# Allegro board SDHCalFEB20180110.brd (continued)
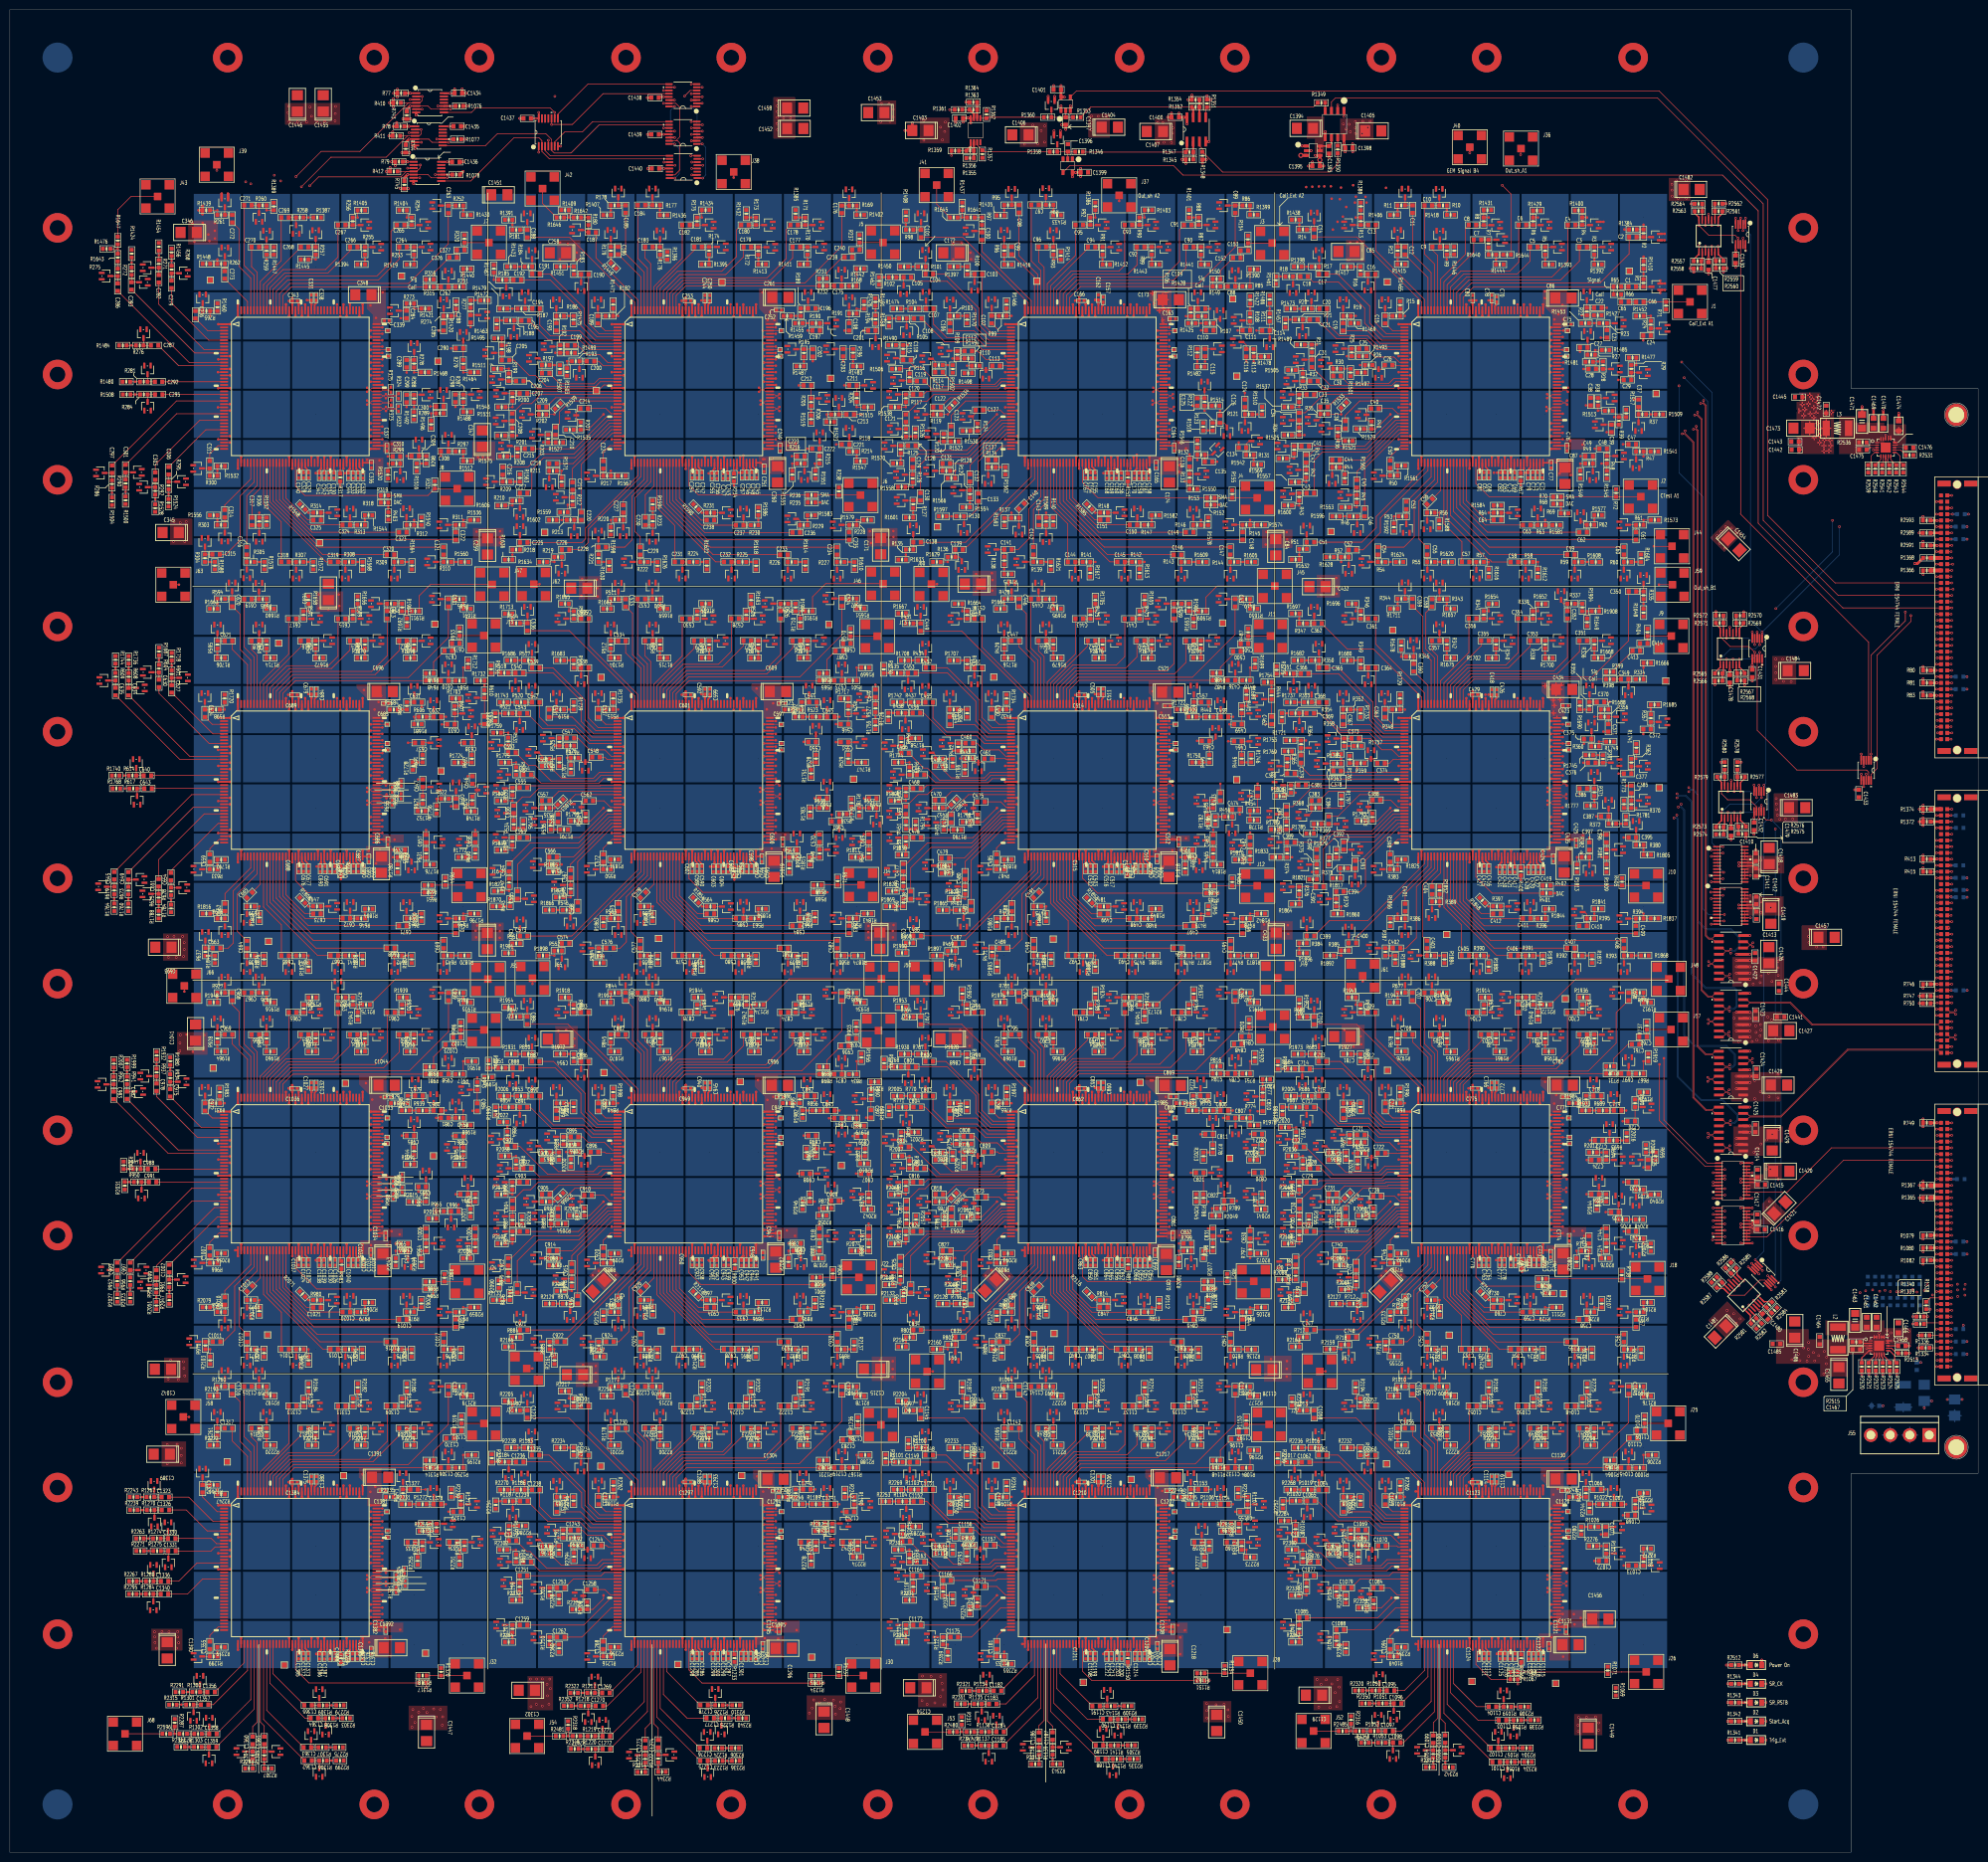
[diagram p0: board, top side]
## Placement (name value [footprint] x y rotation side) (continued)
R2542  x  [SR0603]  382.17 281.13 90 top
R2543  0  [SR0603]  383.59 281.13 90 top
R2544  0  [SR0603]  385.01 281.13 90 top
R2557  0  [SR0603]  343.17 323.34 0 top
R2558  x  [SR0603]  343.16 321.84 180 top
R2559  0  [SR0603]  347.69 323.39 180 top
R2560  x  [SR0603]  347.69 321.89 0 top
R2561  0  [SR0603]  347.48 333.48 180 top
R2562  x  [SR0603]  347.49 335 0 top
R2563  0  [SR0603]  343.37 333.48 0 top
R2564  0  [SR0603]  343.37 334.98 180 top
R2565  0  [SR0603]  347.49 239.55 0 top
R2566  x  [SR0603]  347.48 238.05 180 top
R2567  0  [SR0603]  352 239.6 180 top
R2568  x  [SR0603]  352.01 238.1 0 top
R2569  0  [SR0603]  351.8 249.78 180 top
R2570  x  [SR0603]  351.81 251.28 0 top
R2571  0  [SR0603]  347.69 249.81 0 top
R2572  x  [SR0603]  347.69 251.31 180 top
R2573  0  [SR0603]  347.72 208.33 0 top
R2574  x  [SR0603]  347.71 206.83 180 top
R2575  0  [SR0603]  352.26 208.43 180 top
R2576  x  [SR0603]  352.26 206.93 0 top
R2577  0  [SR0603]  352.05 218.49 180 top
R2578  x  [SR0603]  351.28 220.77 90 top
R2579  0  [SR0603]  347.94 218.52 0 top
R2580  x  [SR0603]  348.72 220.77 90 top
R2581  0  [SR0603]  354.59 107.99 45 top
R2582  x  [SR0603]  355.68 106.91 225 top
R2583  0  [SR0603]  357.78 111.25 225 top
R2584  x  [SR0603]  358.82 110.11 45 top
R2585  0  [SR0603]  350.53 118.18 225 top
R2586  x  [SR0603]  349.43 119.27 45 top
R2587  0  [SR0603]  347.64 115.24 45 top
R2588  x  [SR0603]  346.57 116.33 225 top
R2589  10k  [SR0603]  389.79 268.1 180 top
R2590  10k  [SR0603]  396.47 266.83 0 bottom
R2591  10k  [SR0603]  389.79 265.56 180 top
R2592  10k  [SR0603]  396.75 271.91 0 bottom
R2593  10k  [SR0603]  389.79 270.64 180 top
R2594  10k  [SR0603]  396.47 269.37 0 bottom
R2595  10k  [SR0603]  35.26 24.05 180 top
R2596  10k  [SR0603]  31.8 24.05 0 top
RD  Test Pad  [TESTPAD]  316.94 225.31 0 top
SR  Test Pad  [TESTPAD]  316.89 229.22 0 top
SRD  Test Pad  [TESTPAD]  316.97 224.01 0 top
SRD4  Test Pad  [TESTPAD]  156.69 304.02 0 top
TP2  Test Pad Gnd  [TESTPADGND]  329.3 321.3 0 top
TP6  Test Pad Gnd  [TESTPADGND]  280.1 319.12 0 top
TP7  Test Pad Gnd  [TESTPADGND]  334.76 296.41 0 top
TP13  Test Pad Gnd  [TESTPADGND]  249.5 299.97 0 top
TP14  Test Pad  [TESTPAD]  316.61 304.01 0 top
TP15  Test Pad  [TESTPAD]  316.57 305.32 0 top
TP16  Test Pad  [TESTPAD]  316.75 309.21 0 top
TP21  Test Pad Gnd  [TESTPADGND]  188.65 269.33 0 top
TP22  Test Pad Gnd  [TESTPADGND]  268.63 268.38 0 top
TP23  Test Pad  [TESTPAD]  236.83 304.03 0 top
TP24  Test Pad  [TESTPAD]  236.75 305.32 0 top
TP25  Test Pad  [TESTPAD]  236.91 309.21 0 top
TP26  Test Pad Gnd  [TESTPADGND]  166.88 299.52 0 top
TP27  Test Pad Gnd  [TESTPADGND]  144.81 319.02 0 top
TP32  Test Pad Gnd  [TESTPADGND]  108.76 268.23 0 top
TP33  Test Pad Gnd  [TESTPADGND]  208.81 319.25 0 top
TP35  Test Pad  [TESTPAD]  156.64 305.31 0 top
TP36  Test Pad  [TESTPAD]  156.9 309.22 0 top
TP37  Test Pad Gnd  [TESTPADGND]  119.28 297 0 top
TP38  Test Pad Gnd  [TESTPADGND]  87.07 303 0 top
TP43  Test Pad Gnd  [TESTPADGND]  79.65 320.3 0 top
TP44  Test Pad Gnd  [TESTPADGND]  40.77 319.49 0 top
TP45  Test Pad  [TESTPAD]  76.99 304.02 0 top
TP46  Test Pad  [TESTPAD]  76.96 305.34 0 top
TP47  Test Pad  [TESTPAD]  76.86 309.22 0 top
TP48  Test Pad Gnd  [TESTPADGND]  62.97 266.09 0 top
TP49  Test Pad Gnd  [TESTPADGND]  281.2 248.32 0 top
TP54  Test Pad Gnd  [TESTPADGND]  212.17 185.56 0 top
TP55  Test Pad Gnd  [TESTPADGND]  336.73 238 0 top
TP56  Test Pad  [TESTPAD]  237.06 224.01 0 top
TP57  Test Pad  [TESTPAD]  237.06 225.31 0 top
TP58  Test Pad  [TESTPAD]  237.03 229.22 0 top
TP59  Test Pad Gnd  [TESTPADGND]  246.61 249.79 0 top
TP60  Test Pad Gnd  [TESTPADGND]  200.08 238.79 0 top
TP65  Test Pad Gnd  [TESTPADGND]  131.9 185.68 0 top
TP66  Test Pad Gnd  [TESTPADGND]  249.48 217.94 0 top
TP67  Test Pad  [TESTPAD]  156.92 224.01 0 top
TP68  Test Pad  [TESTPAD]  156.92 225.31 0 top
TP69  Test Pad  [TESTPAD]  156.87 229.19 0 top
TP70  Test Pad Gnd  [TESTPADGND]  166.55 249.49 0 top
TP71  Test Pad Gnd  [TESTPADGND]  120.22 238.74 0 top
TP76  Test Pad Gnd  [TESTPADGND]  335.38 216.32 0 top
TP77  Test Pad Gnd  [TESTPADGND]  171.55 218.07 0 top
TP78  Test Pad  [TESTPAD]  76.81 224.01 0 top
TP79  Test Pad  [TESTPAD]  76.78 225.31 0 top
TP80  Test Pad  [TESTPAD]  76.76 229.22 0 top
TP81  Test Pad Gnd  [TESTPADGND]  86.41 249.56 0 top
TP82  Test Pad Gnd  [TESTPADGND]  54.66 245.7 0 top
TP87  Test Pad Gnd  [TESTPADGND]  52.6 185.1 0 top
TP88  Test Pad Gnd  [TESTPADGND]  87.68 219.72 0 top
TP89  Test Pad  [TESTPAD]  317.14 144 0 top
TP90  Test Pad  [TESTPAD]  317.14 145.3 0 top
TP91  Test Pad  [TESTPAD]  317.02 149.21 0 top
TP92  Test Pad Gnd  [TESTPADGND]  316.31 173.44 0 top
TP93  Test Pad Gnd  [TESTPADGND]  280.14 158.89 0 top
TP98  Test Pad Gnd  [TESTPADGND]  292.68 105.06 0 top
TP99  Test Pad Gnd  [TESTPADGND]  315.93 113.5 0 top
TP100  Test Pad  [TESTPAD]  236.98 144 0 top
TP101  Test Pad  [TESTPAD]  236.96 145.3 0 top
TP102  Test Pad  [TESTPAD]  236.93 149.21 0 top
TP103  Test Pad Gnd  [TESTPADGND]  229.84 156.45 0 top
TP104  Test Pad Gnd  [TESTPADGND]  205.82 160.23 0 top
TP109  Test Pad Gnd  [TESTPADGND]  212.34 105.39 0 top
TP110  Test Pad Gnd  [TESTPADGND]  248.06 141 0 top
TP111  Test Pad  [TESTPAD]  156.79 144 0 top
TP112  Test Pad  [TESTPAD]  156.79 145.3 0 top
TP113  Test Pad  [TESTPAD]  156.77 149.21 0 top
TP114  Test Pad Gnd  [TESTPADGND]  148.51 156.6 0 top
TP115  Test Pad Gnd  [TESTPADGND]  120.8 158.43 0 top
TP120  Test Pad Gnd  [TESTPADGND]  132.46 105.93 0 top
TP121  Test Pad Gnd  [TESTPADGND]  169.09 139.53 0 top
TP122  Test Pad Gnd  [TESTPADGND]  68.22 156.27 0 top
TP123  Test Pad Gnd  [TESTPADGND]  41.35 159.34 0 top
TP124  Test Pad  [TESTPAD]  76.68 144 0 top
TP125  Test Pad  [TESTPAD]  76.73 145.3 0 top
TP126  Test Pad  [TESTPAD]  76.78 149.21 0 top
TP131  Test Pad Gnd  [TESTPADGND]  52.43 105.11 0 top
TP132  Test Pad Gnd  [TESTPADGND]  86.16 141.51 0 top
TP133  Test Pad Gnd  [TESTPADGND]  304.77 76.79 0 top
TP134  Test Pad Gnd  [TESTPADGND]  279.93 78.9 0 top
TP135  Test Pad  [TESTPAD]  316.89 63.99 0 top
TP136  Test Pad  [TESTPAD]  316.89 65.29 0 top
TP137  Test Pad  [TESTPAD]  316.84 69.2 0 top
TP142  Test Pad Gnd  [TESTPADGND]  297.31 34.71 0 top
TP143  Test Pad Gnd  [TESTPADGND]  314.32 34.32 0 top
TP144  Test Pad  [TESTPAD]  236.91 63.99 0 top
TP145  Test Pad  [TESTPAD]  236.93 65.29 0 top
TP146  Test Pad  [TESTPAD]  236.85 69.17 0 top
TP147  Test Pad Gnd  [TESTPADGND]  227.99 75.75 0 top
TP148  Test Pad Gnd  [TESTPADGND]  200.48 78.65 0 top
TP153  Test Pad Gnd  [TESTPADGND]  218.26 34.53 0 top
TP154  Test Pad Gnd  [TESTPADGND]  247.52 45.22 0 top
TP155  Test Pad  [TESTPAD]  156.82 63.99 0 top
TP156  Test Pad  [TESTPAD]  156.82 65.29 0 top
TP157  Test Pad  [TESTPAD]  156.92 69.2 0 top
TP158  Test Pad Gnd  [TESTPADGND]  148.82 76.54 0 top
TP159  Test Pad Gnd  [TESTPADGND]  120.17 78.44 0 top
TP164  Test Pad Gnd  [TESTPADGND]  135.86 38.16 0 top
TP165  Test Pad Gnd  [TESTPADGND]  163.04 39.63 0 top
TP166  Test Pad Gnd  [TESTPADGND]  67.87 76.51 0 top
TP167  Test Pad Gnd  [TESTPADGND]  44.22 79.31 0 top
TP168  Test Pad  [TESTPAD]  76.86 63.99 0 top
TP169  Test Pad  [TESTPAD]  76.86 65.29 0 top
TP170  Test Pad  [TESTPAD]  76.68 69.17 0 top
TP175  Test Pad Gnd  [TESTPADGND]  55.83 38.03 0 top
TP176  Test Pad Gnd  [TESTPADGND]  84.53 40.45 0 top
U1  BAV99W SOT323  [BAV99W_SOT323]  334.71 318.13 90 top
U2  BAV99W SOT323  [BAV99W_SOT323]  334.64 328.24 90 top
U3  BAV99W SOT323  [BAV99W_SOT323]  324.76 326.2 90 top
U4  BAV99W SOT323  [BAV99W_SOT323]  322.22 330.67 90 top
U5  BAV99W SOT323  [BAV99W_SOT323]  314.72 326.2 90 top
U6  BAV99W SOT323  [BAV99W_SOT323]  312.18 330.67 90 top
U7  BAV99W SOT323  [BAV99W_SOT323]  303.17 327.68 90 top
U8  BAV99W SOT323  [BAV99W_SOT323]  302.15 330.66 90 top
U9  BAV99W SOT323  [BAV99W_SOT323]  290.79 328.64 180 top
U10  BAV99W SOT323  [BAV99W_SOT323]  290.66 337.15 180 top
U11  BAV99W SOT323  [BAV99W_SOT323]  283.73 337.18 180 top
U12  BAV99W SOT323  [BAV99W_SOT323]  282.2 328.77 180 top
U13  BAV99W SOT323  [BAV99W_SOT323]  272.19 330.69 270 top
U14  BAV99W SOT323  [BAV99W_SOT323]  265.21 332.33 180 top
U15  BAV99W SOT323  [BAV99W_SOT323]  279.66 314.67 180 top
U16  BAV99W SOT323  [BAV99W_SOT323]  276.14 318.24 0 top
U17  BAV99W SOT323  [BAV99W_SOT323]  266.23 324.68 180 top
U18  BAV99W SOT323  [BAV99W_SOT323]  260.93 317.74 0 top
U19  BAV99W SOT323  [BAV99W_SOT323]  271.13 314.7 180 top
U20  BAV99W SOT323  [BAV99W_SOT323]  264.68 316.09 180 top
U21  BAV99W SOT323  [BAV99W_SOT323]  262.88 308.97 0 top
U22  BAV99W SOT323  [BAV99W_SOT323]  320.68 316.3 180 top
U23  BAV99W SOT323  [BAV99W_SOT323]  327.27 310.71 90 top
U24  BAV99W SOT323  [BAV99W_SOT323]  336.19 309.67 90 top
U25  BAV99W SOT323  [BAV99W_SOT323]  270.42 305.55 270 top
U26  BAV99W SOT323  [BAV99W_SOT323]  278.33 300.51 0 top
U27  BAV99W SOT323  [BAV99W_SOT323]  320.81 308.25 180 top
U28  BAV99W SOT323  [BAV99W_SOT323]  326.51 301.41 90 top
U29  BAV99W SOT323  [BAV99W_SOT323]  332.2 300.68 90 top
U30  BAV99W SOT323  [BAV99W_SOT323]  267.5 302.6 270 top
U31  BAV99W SOT323  [BAV99W_SOT323]  262.34 303.31 270 top
U32  BAV99W SOT323  [BAV99W_SOT323]  260.46 298.97 270 top
U33  BAV99W SOT323  [BAV99W_SOT323]  259.7 296.22 270 top
U34  BAV99W SOT323  [BAV99W_SOT323]  259.72 290.99 270 top
U35  BAV99W SOT323  [BAV99W_SOT323]  264.78 290.99 270 top
U36  BAV99W SOT323  [BAV99W_SOT323]  267.57 289.31 270 top
U37  BAV99W SOT323  [BAV99W_SOT323]  331.18 289.7 0 top
U38  BAV99W SOT323  [BAV99W_SOT323]  325.44 295.52 90 top
U39  BAV99W SOT323  [BAV99W_SOT323]  323.19 290.09 270 top
U40  BAV99W SOT323  [BAV99W_SOT323]  274.99 292.11 270 top
U41  BAV99W SOT323  [BAV99W_SOT323]  258.66 285.76 270 top
U42  BAV99W SOT323  [BAV99W_SOT323]  261.09 280.91 270 top
U43  BAV99W SOT323  [BAV99W_SOT323]  259.8 276.03 270 top
U44  BAV99W SOT323  [BAV99W_SOT323]  268.9 278.98 0 top
U45  BAV99W SOT323  [BAV99W_SOT323]  271.41 275.8 270 top
U46  BAV99W SOT323  [BAV99W_SOT323]  273.98 268.94 0 top
U47  BAV99W SOT323  [BAV99W_SOT323]  330.67 282.15 0 top
U48  BAV99W SOT323  [BAV99W_SOT323]  327.35 283.73 90 top
U49  BAV99W SOT323  [BAV99W_SOT323]  321.91 279.71 0 top
U50  BAV99W SOT323  [BAV99W_SOT323]  278.24 279.74 270 top
U51  BAV99W SOT323  [BAV99W_SOT323]  263.71 268.7 180 top
U52  BAV99W SOT323  [BAV99W_SOT323]  272.25 260.69 0 top
U53  BAV99W SOT323  [BAV99W_SOT323]  283.96 268.99 0 top
U54  BAV99W SOT323  [BAV99W_SOT323]  275.7 262.21 270 top
U55  BAV99W SOT323  [BAV99W_SOT323]  288.23 259.72 0 top
U56  BAV99W SOT323  [BAV99W_SOT323]  288.21 269.71 0 top
U57  BAV99W SOT323  [BAV99W_SOT323]  298.21 259.72 0 top
U58  BAV99W SOT323  [BAV99W_SOT323]  308.22 259.72 0 top
U59  BAV99W SOT323  [BAV99W_SOT323]  318.2 259.72 0 top
U60  BAV99W SOT323  [BAV99W_SOT323]  328.21 259.72 0 top
U61  BAV99W SOT323  [BAV99W_SOT323]  328.18 269.73 270 top
U62  BAV99W SOT323  [BAV99W_SOT323]  319.39 271.42 180 top
U63  BAV99W SOT323  [BAV99W_SOT323]  310.68 272.18 180 top
U64  BAV99W SOT323  [BAV99W_SOT323]  305.76 272.18 90 top
U65  MICROROC  [CQFP160Z0650]  283.59 310.52 270 top
U66  BAV99W SOT323  [BAV99W_SOT323]  249.19 320.61 180 top
U67  BAV99W SOT323  [BAV99W_SOT323]  246.77 334.63 270 top
U68  BAV99W SOT323  [BAV99W_SOT323]  244.74 326.2 90 top
U69  BAV99W SOT323  [BAV99W_SOT323]  244.28 330.7 90 top
U70  BAV99W SOT323  [BAV99W_SOT323]  234.68 326.22 90 top
U71  BAV99W SOT323  [BAV99W_SOT323]  232.19 330.67 90 top
U72  BAV99W SOT323  [BAV99W_SOT323]  224.7 326.2 90 top
U73  BAV99W SOT323  [BAV99W_SOT323]  222.14 330.67 90 top
U74  BAV99W SOT323  [BAV99W_SOT323]  212.2 328.74 180 top
U75  BAV99W SOT323  [BAV99W_SOT323]  210.68 337.27 180 top
U76  BAV99W SOT323  [BAV99W_SOT323]  203.72 337.15 180 top
U77  BAV99W SOT323  [BAV99W_SOT323]  202.2 328.76 180 top
U78  BAV99W SOT323  [BAV99W_SOT323]  195.21 329.48 270 top
U79  BAV99W SOT323  [BAV99W_SOT323]  185.28 332.18 180 top
U80  BAV99W SOT323  [BAV99W_SOT323]  199.65 314.73 180 top
U81  BAV99W SOT323  [BAV99W_SOT323]  196.18 318.21 0 top
U82  BAV99W SOT323  [BAV99W_SOT323]  186.22 324.71 180 top
U83  BAV99W SOT323  [BAV99W_SOT323]  181.75 317.52 0 top
U84  BAV99W SOT323  [BAV99W_SOT323]  191.17 314.63 180 top
U85  BAV99W SOT323  [BAV99W_SOT323]  186.29 316.21 180 top
U86  BAV99W SOT323  [BAV99W_SOT323]  182.36 309.14 0 top
U87  BAV99W SOT323  [BAV99W_SOT323]  241.56 316.13 180 top
U88  BAV99W SOT323  [BAV99W_SOT323]  246.11 312.47 180 top
U89  BAV99W SOT323  [BAV99W_SOT323]  249.75 311.29 270 top
U90  BAV99W SOT323  [BAV99W_SOT323]  190.13 305.09 270 top
U91  BAV99W SOT323  [BAV99W_SOT323]  198.49 300.34 0 top
U92  BAV99W SOT323  [BAV99W_SOT323]  256.2 306.72 0 top
U93  BAV99W SOT323  [BAV99W_SOT323]  245.58 305.5 90 top
U94  BAV99W SOT323  [BAV99W_SOT323]  249.57 306.9 270 top
U95  BAV99W SOT323  [BAV99W_SOT323]  186.42 303.49 270 top
U96  BAV99W SOT323  [BAV99W_SOT323]  179.26 303.62 270 top
U97  BAV99W SOT323  [BAV99W_SOT323]  180.45 299.07 270 top
U98  BAV99W SOT323  [BAV99W_SOT323]  179.69 296.25 270 top
U99  BAV99W SOT323  [BAV99W_SOT323]  179.82 289.24 270 top
U100  BAV99W SOT323  [BAV99W_SOT323]  185.28 292.19 270 top
U101  BAV99W SOT323  [BAV99W_SOT323]  187.46 288.23 270 top
U102  BAV99W SOT323  [BAV99W_SOT323]  251.17 289.7 0 top
U103  BAV99W SOT323  [BAV99W_SOT323]  242.94 297.98 180 top
U104  BAV99W SOT323  [BAV99W_SOT323]  247.48 288.66 0 top
U105  BAV99W SOT323  [BAV99W_SOT323]  194.58 291.78 270 top
U106  BAV99W SOT323  [BAV99W_SOT323]  178.75 285.81 270 top
U107  BAV99W SOT323  [BAV99W_SOT323]  181.09 279.95 270 top
U108  BAV99W SOT323  [BAV99W_SOT323]  181.22 274.69 270 top
U109  BAV99W SOT323  [BAV99W_SOT323]  187.21 280.73 270 top
U110  BAV99W SOT323  [BAV99W_SOT323]  192.72 276.77 270 top
U111  BAV99W SOT323  [BAV99W_SOT323]  194.02 268.97 0 top
U112  BAV99W SOT323  [BAV99W_SOT323]  253.35 286.78 90 top
U113  BAV99W SOT323  [BAV99W_SOT323]  245.43 284.94 135 top
U114  BAV99W SOT323  [BAV99W_SOT323]  242.43 280.07 90 top
U115  BAV99W SOT323  [BAV99W_SOT323]  198.95 278.96 0 top
U116  BAV99W SOT323  [BAV99W_SOT323]  183.71 268.74 180 top
U117  BAV99W SOT323  [BAV99W_SOT323]  193.56 261.45 0 top
U118  BAV99W SOT323  [BAV99W_SOT323]  205.19 268.64 0 top
U119  BAV99W SOT323  [BAV99W_SOT323]  199.73 264.73 270 top
U120  BAV99W SOT323  [BAV99W_SOT323]  205.52 262.22 270 top
U121  BAV99W SOT323  [BAV99W_SOT323]  210.73 267.12 0 top
U122  BAV99W SOT323  [BAV99W_SOT323]  216.65 259.7 0 top
U123  BAV99W SOT323  [BAV99W_SOT323]  226.71 259.7 0 top
U124  BAV99W SOT323  [BAV99W_SOT323]  238.21 259.7 0 top
U125  BAV99W SOT323  [BAV99W_SOT323]  248.2 259.7 0 top
U126  BAV99W SOT323  [BAV99W_SOT323]  248.07 269.76 270 top
U127  BAV99W SOT323  [BAV99W_SOT323]  240.65 272.1 180 top
U128  BAV99W SOT323  [BAV99W_SOT323]  229.27 272.17 180 top
U129  BAV99W SOT323  [BAV99W_SOT323]  225.77 272.2 90 top
U130  MICROROC  [CQFP160Z0650]  203.58 310.52 270 top
U131  BAV99W SOT323  [BAV99W_SOT323]  169.14 320.71 180 top
U132  BAV99W SOT323  [BAV99W_SOT323]  170.67 337.05 180 top
U133  BAV99W SOT323  [BAV99W_SOT323]  164.71 326.21 90 top
U134  BAV99W SOT323  [BAV99W_SOT323]  164.15 330.68 90 top
U135  BAV99W SOT323  [BAV99W_SOT323]  154.75 326.16 90 top
U136  BAV99W SOT323  [BAV99W_SOT323]  154.27 330.68 90 top
U137  BAV99W SOT323  [BAV99W_SOT323]  144.69 326.23 90 top
U138  BAV99W SOT323  [BAV99W_SOT323]  142.23 330.68 90 top
U139  BAV99W SOT323  [BAV99W_SOT323]  132.21 328.69 180 top
U140  BAV99W SOT323  [BAV99W_SOT323]  130.66 337.2 180 top
U141  BAV99W SOT323  [BAV99W_SOT323]  123.73 337.2 180 top
U142  BAV99W SOT323  [BAV99W_SOT323]  122.2 328.76 180 top
U143  BAV99W SOT323  [BAV99W_SOT323]  115.2 329.67 270 top
U144  BAV99W SOT323  [BAV99W_SOT323]  105.21 332.17 180 top
U145  BAV99W SOT323  [BAV99W_SOT323]  119.56 314.69 180 top
U146  BAV99W SOT323  [BAV99W_SOT323]  116.15 318.15 0 top
U147  BAV99W SOT323  [BAV99W_SOT323]  106.2 324.68 180 top
U148  BAV99W SOT323  [BAV99W_SOT323]  100.94 317.06 0 top
U149  BAV99W SOT323  [BAV99W_SOT323]  111.13 314.67 180 top
U150  BAV99W SOT323  [BAV99W_SOT323]  104.78 316.17 180 top
U151  BAV99W SOT323  [BAV99W_SOT323]  102.51 308.8 0 top
U152  BAV99W SOT323  [BAV99W_SOT323]  162.31 316.19 180 top
U153  BAV99W SOT323  [BAV99W_SOT323]  167.14 310.71 90 top
U154  BAV99W SOT323  [BAV99W_SOT323]  170.67 315.13 180 top
U155  BAV99W SOT323  [BAV99W_SOT323]  109.44 305.97 270 top
U156  BAV99W SOT323  [BAV99W_SOT323]  115.82 300.52 0 top
U157  BAV99W SOT323  [BAV99W_SOT323]  176.04 306.74 0 top
U158  BAV99W SOT323  [BAV99W_SOT323]  158.99 305.44 270 top
U159  BAV99W SOT323  [BAV99W_SOT323]  166.87 305.49 270 top
U160  BAV99W SOT323  [BAV99W_SOT323]  106.44 303.58 270 top
U161  BAV99W SOT323  [BAV99W_SOT323]  97.55 304.68 270 top
U162  BAV99W SOT323  [BAV99W_SOT323]  98.97 299.29 270 top
U163  BAV99W SOT323  [BAV99W_SOT323]  99.73 296.47 270 top
U164  BAV99W SOT323  [BAV99W_SOT323]  99.68 290.86 270 top
U165  BAV99W SOT323  [BAV99W_SOT323]  105.02 292.18 270 top
U166  BAV99W SOT323  [BAV99W_SOT323]  107.05 288.04 270 top
U167  BAV99W SOT323  [BAV99W_SOT323]  174.66 298.09 90 top
U168  BAV99W SOT323  [BAV99W_SOT323]  165.39 295.45 90 top
U169  BAV99W SOT323  [BAV99W_SOT323]  168.58 294.65 180 top
U170  BAV99W SOT323  [BAV99W_SOT323]  114.29 292 270 top
U171  BAV99W SOT323  [BAV99W_SOT323]  100.77 285.78 270 top
U172  BAV99W SOT323  [BAV99W_SOT323]  97.7 278.52 270 top
U173  BAV99W SOT323  [BAV99W_SOT323]  103.73 272.22 0 top
U174  BAV99W SOT323  [BAV99W_SOT323]  109.67 278.27 0 top
U175  BAV99W SOT323  [BAV99W_SOT323]  111.9 275.34 270 top
U176  BAV99W SOT323  [BAV99W_SOT323]  114.75 268.31 0 top
U177  BAV99W SOT323  [BAV99W_SOT323]  170.69 288.56 180 top
U178  BAV99W SOT323  [BAV99W_SOT323]  164.67 287.67 180 top
U179  BAV99W SOT323  [BAV99W_SOT323]  161.59 279.74 0 top
U180  BAV99W SOT323  [BAV99W_SOT323]  118.25 279.71 270 top
U181  BAV99W SOT323  [BAV99W_SOT323]  103.74 268.58 180 top
U182  BAV99W SOT323  [BAV99W_SOT323]  112.24 260.72 0 top
U183  BAV99W SOT323  [BAV99W_SOT323]  124.74 268.31 0 top
U184  BAV99W SOT323  [BAV99W_SOT323]  119.69 267.68 180 top
U185  BAV99W SOT323  [BAV99W_SOT323]  125.74 262.21 270 top
U186  BAV99W SOT323  [BAV99W_SOT323]  130.7 267.2 0 top
U187  BAV99W SOT323  [BAV99W_SOT323]  136.75 259.73 0 top
U188  BAV99W SOT323  [BAV99W_SOT323]  146.76 259.73 0 top
U189  BAV99W SOT323  [BAV99W_SOT323]  158.19 259.7 0 top
U190  BAV99W SOT323  [BAV99W_SOT323]  168.22 259.7 0 top
U191  BAV99W SOT323  [BAV99W_SOT323]  168.24 269.73 270 top
U192  BAV99W SOT323  [BAV99W_SOT323]  158.99 270.95 270 top
U193  BAV99W SOT323  [BAV99W_SOT323]  149.18 272.15 180 top
U194  BAV99W SOT323  [BAV99W_SOT323]  145.71 272.18 90 top
U195  MICROROC  [CQFP160Z0650]  123.57 310.52 270 top
U196  BAV99W SOT323  [BAV99W_SOT323]  89.18 320.51 180 top
U197  BAV99W SOT323  [BAV99W_SOT323]  86.78 334.62 270 top
U198  BAV99W SOT323  [BAV99W_SOT323]  84.65 326.21 90 top
U199  BAV99W SOT323  [BAV99W_SOT323]  84.19 330.68 90 top
U200  BAV99W SOT323  [BAV99W_SOT323]  74.64 326.18 90 top
U201  BAV99W SOT323  [BAV99W_SOT323]  72.2 330.68 90 top
U202  BAV99W SOT323  [BAV99W_SOT323]  62.18 328.74 180 top
U203  BAV99W SOT323  [BAV99W_SOT323]  58.21 329.76 0 top
U204  BAV99W SOT323  [BAV99W_SOT323]  52.2 328.64 180 top
U205  BAV99W SOT323  [BAV99W_SOT323]  50.67 332.22 0 top
U206  BAV99W SOT323  [BAV99W_SOT323]  43.72 335.19 180 top
U207  BAV99W SOT323  [BAV99W_SOT323]  43.72 325.23 180 top
U210  BAV99W SOT323  [BAV99W_SOT323]  39.22 315.68 180 top
U213  BAV99W SOT323  [BAV99W_SOT323]  35.29 320.87 90 top
U216  BAV99W SOT323  [BAV99W_SOT323]  27.9 322 270 top
U217  BAV99W SOT323  [BAV99W_SOT323]  27.17 319.05 90 top
U218  BAV99W SOT323  [BAV99W_SOT323]  78.17 313.26 270 top
U219  BAV99W SOT323  [BAV99W_SOT323]  88.22 314.67 180 top
U220  BAV99W SOT323  [BAV99W_SOT323]  19.57 320.3 270 top
U221  BAV99W SOT323  [BAV99W_SOT323]  27.18 308.6 180 top
U222  BAV99W SOT323  [BAV99W_SOT323]  96.18 312.37 90 top
U223  BAV99W SOT323  [BAV99W_SOT323]  82.2 305.78 180 top
U224  BAV99W SOT323  [BAV99W_SOT323]  92.21 308.06 180 top
U226  BAV99W SOT323  [BAV99W_SOT323]  27.99 301.23 180 top
U229  BAV99W SOT323  [BAV99W_SOT323]  28.01 293.84 0 top
U231  BAV99W SOT323  [BAV99W_SOT323]  18.4 280.29 270 top
U232  BAV99W SOT323  [BAV99W_SOT323]  94.68 296.24 90 top
U233  BAV99W SOT323  [BAV99W_SOT323]  84.67 296.19 90 top
U234  BAV99W SOT323  [BAV99W_SOT323]  88.19 296.28 180 top
U235  BAV99W SOT323  [BAV99W_SOT323]  25.95 280.41 90 top
U237  BAV99W SOT323  [BAV99W_SOT323]  27.17 277.4 270 top
U240  BAV99W SOT323  [BAV99W_SOT323]  34.94 278.51 90 top
U242  BAV99W SOT323  [BAV99W_SOT323]  89.18 287.16 180 top
U243  BAV99W SOT323  [BAV99W_SOT323]  83.19 286.19 180 top
U244  BAV99W SOT323  [BAV99W_SOT323]  79.37 279.72 0 top
U245  BAV99W SOT323  [BAV99W_SOT323]  38.16 281.21 270 top
U248  BAV99W SOT323  [BAV99W_SOT323]  43.71 267.25 0 top
U249  BAV99W SOT323  [BAV99W_SOT323]  39.68 266.2 180 top
U250  BAV99W SOT323  [BAV99W_SOT323]  48.18 259.78 0 top
U251  BAV99W SOT323  [BAV99W_SOT323]  50.72 267.2 0 top
U252  BAV99W SOT323  [BAV99W_SOT323]  58.21 259.73 0 top
U253  BAV99W SOT323  [BAV99W_SOT323]  68.22 259.73 0 top
U254  BAV99W SOT323  [BAV99W_SOT323]  78.18 259.73 0 top
U255  BAV99W SOT323  [BAV99W_SOT323]  85.74 262.21 270 top
U256  BAV99W SOT323  [BAV99W_SOT323]  88.2 269.73 270 top
U257  BAV99W SOT323  [BAV99W_SOT323]  80.67 272.22 180 top
U258  BAV99W SOT323  [BAV99W_SOT323]  69.17 272.15 180 top
U259  BAV99W SOT323  [BAV99W_SOT323]  65.72 272.21 90 top
U260  MICROROC  [CQFP160Z0650]  43.56 310.52 270 top
U261  BAV99W SOT323  [BAV99W_SOT323]  329.13 235.98 0 top
U262  BAV99W SOT323  [BAV99W_SOT323]  332.21 258.66 180 top
U263  BAV99W SOT323  [BAV99W_SOT323]  324.7 246.2 90 top
U264  BAV99W SOT323  [BAV99W_SOT323]  315.45 255.38 180 top
U265  BAV99W SOT323  [BAV99W_SOT323]  314.67 246.22 90 top
U266  BAV99W SOT323  [BAV99W_SOT323]  312.2 250.67 90 top
U267  BAV99W SOT323  [BAV99W_SOT323]  304.69 246.2 90 top
U268  BAV99W SOT323  [BAV99W_SOT323]  302.2 250.69 90 top
U269  BAV99W SOT323  [BAV99W_SOT323]  290.71 248.68 180 top
U270  BAV99W SOT323  [BAV99W_SOT323]  290.71 257.14 180 top
U271  BAV99W SOT323  [BAV99W_SOT323]  283.72 257.16 180 top
U272  BAV99W SOT323  [BAV99W_SOT323]  285.45 245.43 180 top
U273  BAV99W SOT323  [BAV99W_SOT323]  272.22 250.68 270 top
U274  BAV99W SOT323  [BAV99W_SOT323]  265.23 252.18 180 top
U275  BAV99W SOT323  [BAV99W_SOT323]  279.61 234.66 180 top
U276  BAV99W SOT323  [BAV99W_SOT323]  276.22 238.21 0 top
U277  BAV99W SOT323  [BAV99W_SOT323]  266.2 244.69 180 top
U278  BAV99W SOT323  [BAV99W_SOT323]  261.06 237.02 0 top
U279  BAV99W SOT323  [BAV99W_SOT323]  271.1 234.68 180 top
U280  BAV99W SOT323  [BAV99W_SOT323]  264.72 236.16 180 top
U281  BAV99W SOT323  [BAV99W_SOT323]  262.2 228.94 0 top
U282  BAV99W SOT323  [BAV99W_SOT323]  321.21 236.21 180 top
U283  BAV99W SOT323  [BAV99W_SOT323]  327.52 230.73 90 top
U284  BAV99W SOT323  [BAV99W_SOT323]  336.16 229.69 90 top
U285  BAV99W SOT323  [BAV99W_SOT323]  268.85 226.32 270 top
U286  BAV99W SOT323  [BAV99W_SOT323]  276.79 223.05 180 top
U287  BAV99W SOT323  [BAV99W_SOT323]  321.62 228.69 180 top
U288  BAV99W SOT323  [BAV99W_SOT323]  326.43 221.41 90 top
U289  BAV99W SOT323  [BAV99W_SOT323]  332.19 220.67 90 top
U290  BAV99W SOT323  [BAV99W_SOT323]  266.66 221.24 270 top
U291  BAV99W SOT323  [BAV99W_SOT323]  265.04 224.4 90 top
U292  BAV99W SOT323  [BAV99W_SOT323]  257.26 220.7 270 top
U293  BAV99W SOT323  [BAV99W_SOT323]  258.05 216.82 270 top
U294  BAV99W SOT323  [BAV99W_SOT323]  256.98 210.95 270 top
U295  BAV99W SOT323  [BAV99W_SOT323]  262.9 210.75 270 top
U296  BAV99W SOT323  [BAV99W_SOT323]  270.7 208.96 90 top
U297  BAV99W SOT323  [BAV99W_SOT323]  332.19 213.71 90 top
U298  BAV99W SOT323  [BAV99W_SOT323]  322.2 218.63 180 top
U299  BAV99W SOT323  [BAV99W_SOT323]  325.1 212.97 180 top
U300  BAV99W SOT323  [BAV99W_SOT323]  275.37 212.42 270 top
U301  BAV99W SOT323  [BAV99W_SOT323]  257.24 205.24 270 top
U302  BAV99W SOT323  [BAV99W_SOT323]  263.28 200.71 270 top
U303  BAV99W SOT323  [BAV99W_SOT323]  259.73 196.19 270 top
U304  BAV99W SOT323  [BAV99W_SOT323]  273.72 203.73 90 top
U305  BAV99W SOT323  [BAV99W_SOT323]  273.55 197.52 0 top
U306  BAV99W SOT323  [BAV99W_SOT323]  267.25 193.73 270 top
U307  BAV99W SOT323  [BAV99W_SOT323]  330.69 208.67 180 top
U308  BAV99W SOT323  [BAV99W_SOT323]  327.16 203.73 90 top
U309  BAV99W SOT323  [BAV99W_SOT323]  321.18 199.73 0 top
U310  BAV99W SOT323  [BAV99W_SOT323]  278.19 199.75 270 top
U311  BAV99W SOT323  [BAV99W_SOT323]  263.73 188.66 180 top
U312  BAV99W SOT323  [BAV99W_SOT323]  272.24 187.21 180 top
U313  BAV99W SOT323  [BAV99W_SOT323]  283.71 187.24 0 top
U314  BAV99W SOT323  [BAV99W_SOT323]  277.25 183.72 270 top
U315  BAV99W SOT323  [BAV99W_SOT323]  285.71 182.22 270 top
U316  BAV99W SOT323  [BAV99W_SOT323]  289.2 190.72 0 top
U317  BAV99W SOT323  [BAV99W_SOT323]  298.24 179.74 0 top